# Altium PCB PCB1.PcbDoc (part 3 of 4) (continued)
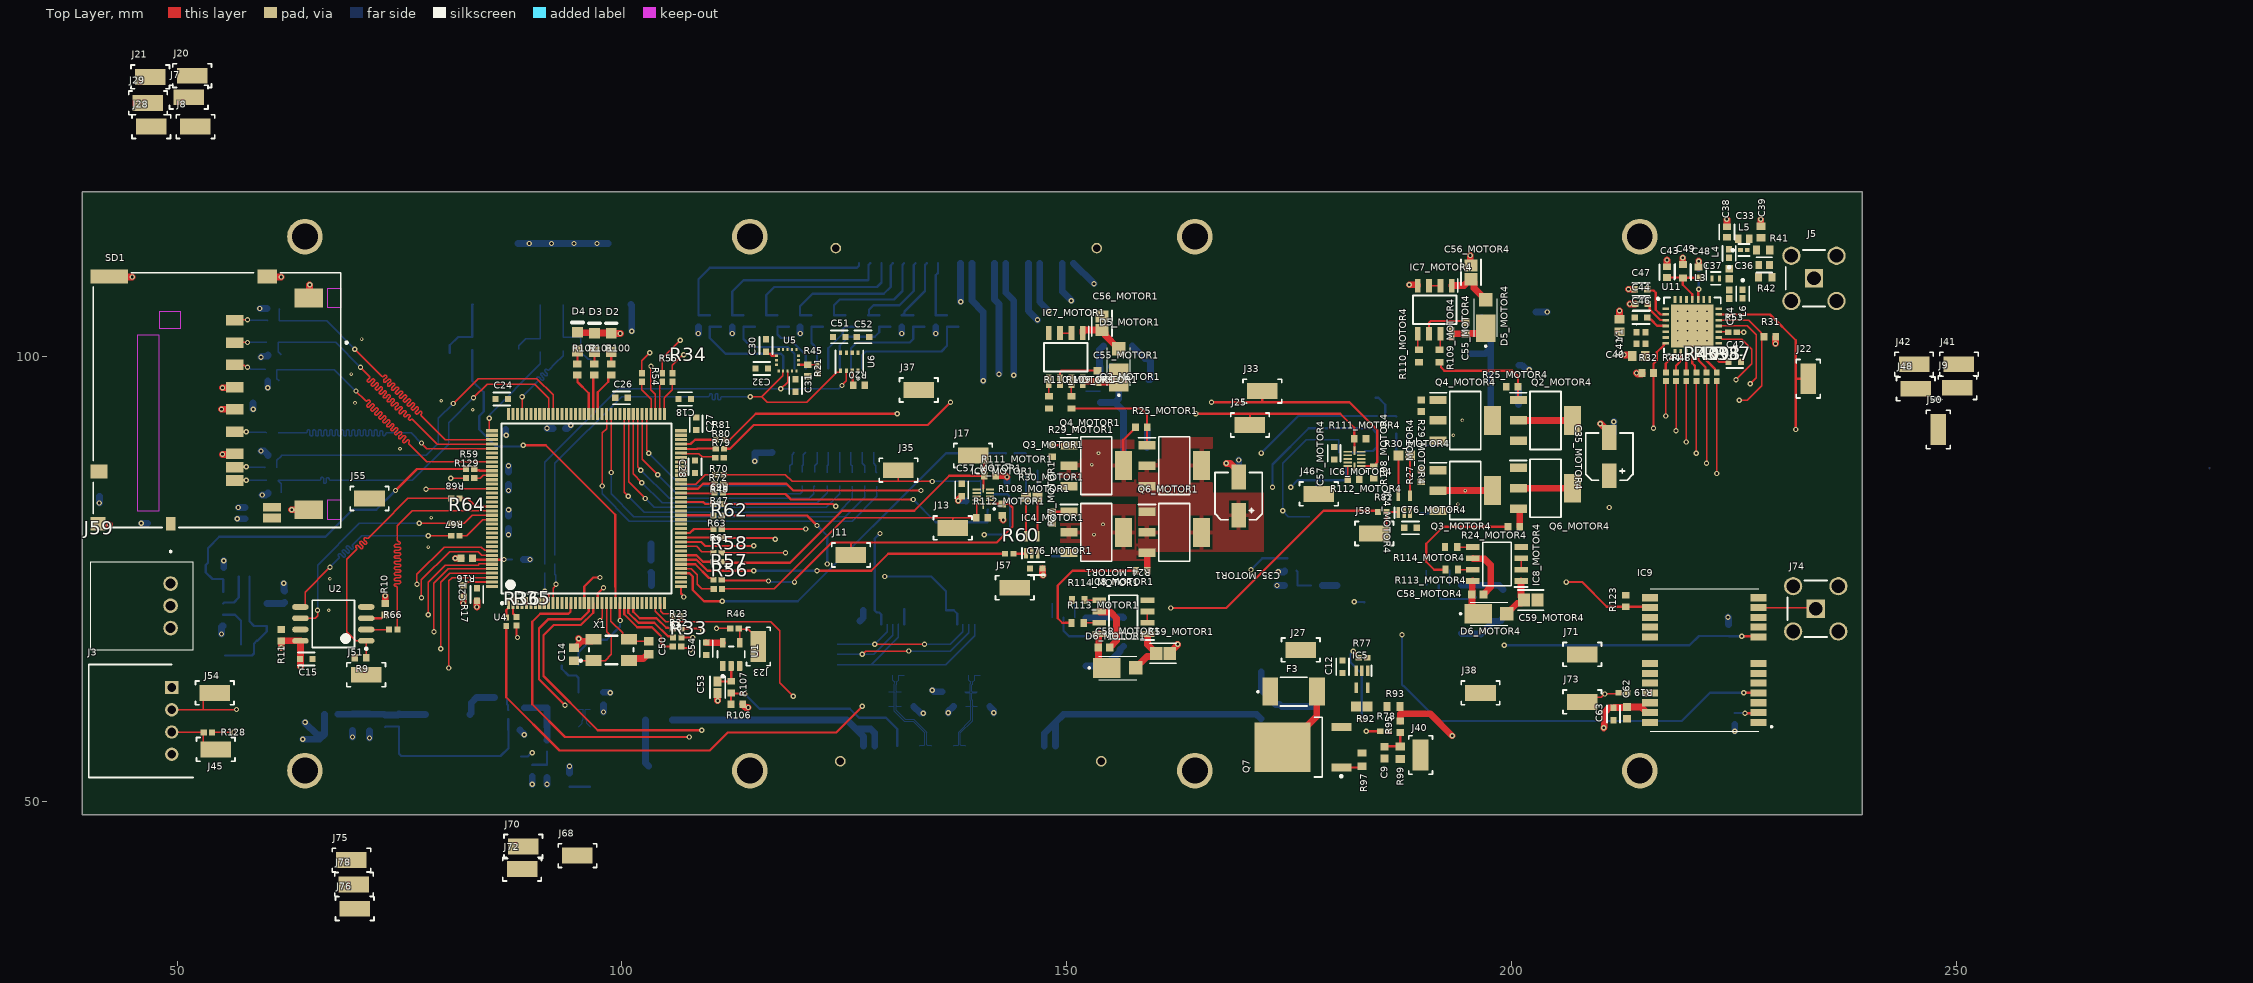
[diagram p0: Top Layer view]
## Nets (pads, with @x,y where several pads share a name; then routed paths per layer and width w, separated by ;. In a path a pad name is that pad's centre, name@x,y a point inside that pad or via, vN(x,y) a via of type N, cw(c..) or ccw(c..) an arc to the next point about the centre after c; other vN are vias at no path point) (continued)
  Bottom Layer w0.762: J1.26@141.859,110.49 141.859,106.426 142.367,105.918 v1(142.367,98.044)
HOT_R_MOTOR4: C55_MOTOR4.1 IC7_MOTOR4.6 J1.38 Q2_MOTOR4.3 Q4_MOTOR4.2 Q4_MOTOR4.4 R25_MOTOR4.1 | length 59.6
  Top Layer w0.254: IC7_MOTOR4.6@190.692,102.571 190.692,103.824 190.881,104.013 194.644,104.013 C55_MOTOR4.1@194.756,103.901
  Int3 (Sign) w0.762: v1(150.495,106.299) 156.845,99.949 171.704,99.949 178.816,92.837 v2(194.437,92.837)
  Bottom Layer w0.762: J1.38@149.479,110.49 149.479,107.315 v1(150.495,106.299)
IBAT_FB: IC2.1 J18.1 R71.2 | length 4.3
  Bottom Layer w0.254: J18.1@93.218,65.278 93.218,64.929 93.981,64.166 94.85,64.166 95.123,63.893 95.108,63.878 IC2.1@95.108,62.291
IBAT_MOTOR1_FB: IC3.1 J39.1 R74.2
IBAT_MOTOR2_FB: IC5.1 J27.1 R77.2
IMOTOR1: IC4_MOTOR1.1 J57.1 R60.1 | length 1.4
  Top Layer w0.254: R60.1@143.985,77.851 145.334,77.851 IC4_MOTOR1.1@145.4,77.917
IMOTOR2: IC4_MOTOR2.1 J36.1 R65.1 | length 4
  Bottom Layer w0.254: J36.1@184.658,95.377 185.005,95.377 185.768,94.614 R65.1@185.768,93.345 186.938,93.345 IC4_MOTOR2.1@187.011,93.271
IMOTOR3: IC4_MOTOR3.1 J47.1 R75.1 | length 1.3
  Bottom Layer w0.254: R75.1@144.112,89.154 145.334,89.154 IC4_MOTOR3.1@145.4,89.088
IMOTOR4: IC4_MOTOR4.1 J58.1 R82.1 | length 4.7
  Top Layer w0.254: J58.1@184.531,80.137 185.132,80.137 185.895,80.9 R82.1@185.895,82.55 187.187,82.55 IC4_MOTOR4.1@187.248,82.489
INT_IMU: R21.1 R45.2 U5.6 | length 2.5
  Top Layer w0.156: R21.1@120.888,99.111 122.238,99.111 R45.2@122.301,99.048
  Top Layer w0.254: U5.6@119.827,99.104 120.881,99.104 R21.1@120.888,99.111
LED_M12: R102.2 U4.90 | length 4.9
  Top Layer w0.254: R102.2@94.996,97.927 94.996,97.155 96.262,95.889 U4.90@96.262,93.556
LED_M34: R101.2 U4.89 | length 4.4
  Top Layer w0.254: U4.89@96.762,93.556 96.762,97.788 R101.2@96.901,97.927
LED_SEQ: R100.2 U4.88 | length 5.1
  Top Layer w0.254: U4.88@97.262,93.556 97.282,93.576 97.282,96.012 98.458,97.188 98.458,97.654 98.731,97.927 R100.2@98.806,97.927
MISO: R6.2 U8.11 U9.11 | length 22.3
  Top Layer w0.156: v1(127,66.548) 127.381,66.929 v1(132.207,66.929)
  Bottom Layer w0.156: R6.2@124.173,66.548 v1(127,66.548) 128.27,66.548 130.429,68.707 U8.11@130.429,69.931 ; v1(132.207,66.929) 136.906,66.929 138.961,68.984 U9.11@138.961,69.943
MISO_MEM: J75.1 R6.1 R66.2 U2.2 | length 2.6
  Top Layer w0.156: U2.2@71.264,69.342 R66.2@73.82,69.342
MISO_RADIO: J42.1 R53.2 U11.17 | length 1.1
  Top Layer w0.156: U11.17@223.247,102.805 224.253,102.805 R53.2@224.315,102.743
MOSI: R7.2 U8.12 U9.12 | length 23.9
  Bottom Layer w0.156: R7.2@124.173,65.405 128.016,65.405 ; U8.12@131.079,69.931 131.064,69.916 131.064,68.453 128.016,65.405 ; U9.12@139.611,69.943 139.611,68.618 136.398,65.405 128.016,65.405
MOSI_MEM: J78.1 R7.1 R67.2 U2.5 | length 24.3
  Top Layer w0.156: U2.5@63.864,71.882 64.158,71.882 64.386,72.11 64.386,73.53 v1(67.183,76.327) ; v1(78.232,79.883) R67.2@80.805,79.883
  Bottom Layer w0.156: v1(67.183,76.327) 68.135,77.279 68.191,77.335 ccw(c68.08,77.446) 68.191,77.557 68.166,77.582 cw(c68.277,77.693) 68.166,77.805 cw(c68.277,77.693) 68.388,77.805 68.661,77.532 ccw(c68.772,77.643) 68.883,77.532 ccw(c68.772,77.643) 68.883,77.754 68.61,78.027 cw(c68.721,78.138) 68.61,78.249 cw(c68.721,78.138) 68.832,78.249 69.105,77.976 ccw(c69.216,78.088) 69.327,77.976 ccw(c69.216,78.088) 69.327,78.199 69.055,78.471 cw(c69.166,78.583) 69.055,78.694 cw(c69.166,78.583) 69.277,78.694 69.55,78.421 ccw(c69.661,78.532) 69.772,78.421 ccw(c69.661,78.532) 69.772,78.643 69.747,78.668 cw(c69.858,78.78) 69.747,78.891 70.485,79.629 70.739,79.883 v1(78.232,79.883)
MOSI_RADIO: J50.1 R54.2 U11.18 | length 139.3
  Top Layer w0.156: R54.2@102.235,98.138 102.235,99.568 v1(103.124,100.457) ; U11.18@223.247,103.455 223.297,103.505 226.441,103.505 227.457,102.489 227.457,97.648 v1(226.782,96.972)
  Int2 (Sign) w0.159: v1(103.124,100.457) 103.632,100.965 172.733,100.965 176.382,100.965 208.153,100.965 212.979,96.139 225.948,96.139 v1(226.782,96.972)
NetC3_1: C3.1 IC1.2 L1.1 | length 4.2
  Bottom Layer w0.762: L1.1@82.907,59.794 83.058,59.946 83.058,61.111 83.646,61.699 C3.1@85.676,61.699
NetC3_2: C3.2 IC1.4 | length 1.5
  Bottom Layer w0.254: C3.2@87.076,61.699 87.076,60.954 87.191,60.839 87.191,60.317 IC1.4@87.214,60.294
NetC4_1: C4.1 IC1.6 R1.1 R3.2 | length 20.7
  Bottom Layer w0.254: C4.1@73.406,58.404 73.461,58.459 R1.1@74.946,58.459 74.946,55.381 75.184,55.142 86.36,55.142 87.234,56.016 R3.2@87.234,58.063 87.214,58.084 IC1.6@87.214,59.294
NetC4_2: C4.2 C5.1 C6.1 L1.2 R1.2 R88.1 | length 9.9
  Bottom Layer w0.762: R88.1@68.06,59.817 68.078,59.835 69.668,59.835 C6.1@69.669,59.834 ; C6.1@69.723,59.853 71.391,59.853 71.395,59.849 71.625,59.849 C5.1@71.644,59.83 73.28,59.83 73.356,59.754 C4.2@73.406,59.754 74.803,59.754 74.908,59.859 R1.2@74.946,59.859 74.984,59.859 75.049,59.794 L1.2@77.907,59.794
NetC17_2: C17.2 U4.106
NetC18_2: C18.2 U4.71
NetC30_1: C30.1 U5.14 | length 1.4
  Top Layer w0.254: C30.1@116.189,100.555 116.412,100.332 116.593,100.332 116.821,100.104 U5.14@117.377,100.104
NetC33_1: C33.1 C38.1 L4.2 L5.1
NetC33_2: C33.2 C39.2 L5.2 R41.1
NetC34_1: C34.1 L6.2 U11.21
NetC34_2: C34.2 C37.2 L3.2 U11.22
NetC36_1: C36.1 R41.2
NetC36_2: C36.2 R42.1
NetC37_1: C37.1 L4.1
NetC40_2: C40.2 U11.6 Y1.3
NetC41_2: C41.2 U11.5 Y1.1
NetC46_1: C46.1 U11.4 | length 2.5
  Top Layer w0.254: C46.1@215.203,104.394 215.426,104.171 215.615,104.171 216.308,103.478 217.274,103.478 U11.4@217.297,103.455
NetC47_1: C47.1 U11.2 | length 4.4
  Top Layer w0.254: C47.1@215.203,107.569 215.33,107.442 215.9,107.442 216.154,107.188 216.154,105.283 216.682,104.755 U11.2@217.297,104.755
NetC53_2: C53.2 R107.1 U1.2 | length 3.3
  Top Layer w0.254: C53.2@110.744,63.506 110.753,63.515 R107.1@112.268,63.515 U1.2@112.268,65.248
NetC55_MOTOR1_2: C55_MOTOR1.2 D5_MOTOR1.1 IC7_MOTOR1.8 | length 4.3
  Top Layer w0.762: IC7_MOTOR1.8@151.765,97.237 153.294,97.237 153.391,97.14 C55_MOTOR1.2@153.416,97.14 155.306,97.14 D5_MOTOR1.1@155.829,97.663
NetC55_MOTOR2_2: C55_MOTOR2.2 D5_MOTOR2.1 IC7_MOTOR2.8 | length 4.9
  Bottom Layer w0.762: IC7_MOTOR2.8@194.31,74.34 194.325,74.325 195.946,74.325 C55_MOTOR2.2@195.961,74.31 198.553,74.31 D5_MOTOR2.1@199.009,73.854
NetC55_MOTOR3_2: C55_MOTOR3.2 D5_MOTOR3.1 IC7_MOTOR3.8 | length 4.2
  Bottom Layer w0.762: IC7_MOTOR3.8@152.146,70.657 153.69,70.657 153.772,70.739 C55_MOTOR3.2@153.797,70.739 156.277,70.739 D5_MOTOR3.1@156.337,70.679
NetC55_MOTOR4_2: C55_MOTOR4.2 D5_MOTOR4.1 IC7_MOTOR4.8 | length 4.1
  Top Layer w0.762: IC7_MOTOR4.8@193.232,102.571 193.247,102.586 194.741,102.586 C55_MOTOR4.2@194.756,102.601 196.459,102.601 D5_MOTOR4.1@197.042,103.184
NetC58_MOTOR1_2: C58_MOTOR1.2 D6_MOTOR1.1 IC8_MOTOR1.8 | length 4.4
  Top Layer w0.762: IC8_MOTOR1.8@153.625,68.834 153.572,68.781 153.572,67.354 C58_MOTOR1.2@153.528,67.31 153.528,65.743 154.247,65.024 D6_MOTOR1.1@154.492,65.024
NetC58_MOTOR2_2: C58_MOTOR2.2 D6_MOTOR2.1 IC8_MOTOR2.8
NetC58_MOTOR3_2: C58_MOTOR3.2 D6_MOTOR3.1 IC8_MOTOR3.8 | length 4
  Bottom Layer w0.762: IC8_MOTOR3.8@153.752,97.409 153.711,97.45 153.711,98.892 C58_MOTOR3.2@153.67,98.933 153.67,100.778 D6_MOTOR3.1@154.111,101.219
NetC58_MOTOR4_2: C58_MOTOR4.2 D6_MOTOR4.1 IC8_MOTOR4.8 | length 4
  Top Layer w0.762: IC8_MOTOR4.8@195.6,74.803 195.547,74.75 195.547,73.323 C58_MOTOR4.2@195.503,73.279 195.503,71.83 D6_MOTOR4.1@196.213,71.12
NetC61_1: C61.1 R116.1 R117.1 U7.4 | length 14.3
  Bottom Layer w0.254: R117.1@55.412,66.421 58.42,66.421 58.637,66.638 R116.1@58.637,67.676 58.637,67.751 58.96,68.074 59.035,68.074 60.096,69.135 U7.4@60.096,69.739 58.658,69.739 58.131,70.266 C61.1@58.131,75.311
NetC61_2: C61.2 J59.3 U7.7 | length 4.4
  Bottom Layer w0.254: U7.7@55.186,72.279 55.297,72.39 56.388,72.39 56.931,72.933 C61.2@56.931,75.311
NetC77_2: C77.2 IC10.5 R154.1 | length 6.2
  Bottom Layer w0.254: IC10.5@121.92,98.705 121.92,100.905 121.285,101.54 R154.1@121.285,103.363 C77.2@122.555,103.363
NetC78_2: C78.2 IC10.4 R153.1 | length 7.8
  Bottom Layer w0.254: C78.2@118.745,103.363 R153.1@117.475,103.363 117.475,102.489 117.856,102.108 118.745,102.108 120.65,100.203 IC10.4@120.65,98.705
NetC79_2: C79.2 IC10.3 R152.1 | length 10.7
  Bottom Layer w0.254: C79.2@114.935,103.363 R152.1@113.665,103.363 113.665,101.981 114.554,101.092 118.618,101.092 119.38,100.33 IC10.3@119.38,98.705
NetC80_2: C80.2 IC10.2 R151.1 | length 13
  Bottom Layer w0.254: C80.2@111.125,103.363 R151.1@109.855,103.363 109.855,102.108 111.633,100.33 117.856,100.33 118.11,100.076 IC10.2@118.11,98.705
NetC82_2: C82.2 IC10.9 R162.1 | length 14.9
  Bottom Layer w0.254: IC10.9@127,98.705 127,100.203 127.381,100.584 135.89,100.584 136.525,101.219 R162.1@136.525,103.363 C82.2@137.795,103.363
NetC83_2: C83.2 IC10.8 R161.1 | length 12.3
  Bottom Layer w0.254: IC10.8@125.73,98.705 125.73,100.965 126.365,101.6 132.334,101.6 132.715,101.981 R161.1@132.715,103.363 C83.2@133.985,103.363
NetC84_2: C84.2 IC10.7 R160.1 | length 9.5
  Bottom Layer w0.254: IC10.7@124.46,98.705 124.46,101.219 125.476,102.235 128.397,102.235 128.905,102.743 R160.1@128.905,103.363 C84.2@130.175,103.363
NetC85_2: C85.2 IC10.6 R159.1 | length 6.7
  Bottom Layer w0.254: IC10.6@123.19,98.705 123.19,100.965 124.797,102.572 124.797,103.115 125.045,103.363 R159.1@125.095,103.363 C85.2@126.365,103.363
NetD2_1: D2.1 R100.1 | length 1.4
  Top Layer w0.254: R100.1@98.806,99.177 D2.1@98.806,100.55
NetD3_1: D3.1 R101.1 | length 1.4
  Top Layer w0.254: R101.1@96.901,99.177 D3.1@96.901,100.55
NetD4_1: D4.1 R102.1 | length 1.5
  Top Layer w0.254: R102.1@94.996,99.177 D4.1@94.996,100.643
NetF1_2: F1.2 Q1.2 | length 5.4
  Bottom Layer w0.762: F1.2@102.64,59.182 102.64,54.346 Q1.2@103.011,53.975
NetF2_2: F2.2 Q5.2 | length 9
  Bottom Layer w0.762: F2.2@171.831,64.591 171.831,62.558 173.457,60.932 173.896,60.932 174.136,60.692 Q5.2@178.054,60.692
NetF3_2: F3.2 Q7.2 | length 8
  Top Layer w0.762: Q7.2@174.23,56.134 174.605,56.134 178.077,59.606 F3.2@178.077,62.357
NetIC4_MOTOR1_4: IC4_MOTOR1.4 Q3_MOTOR1.3 Q4_MOTOR1.3 R27_MOTOR1.1 R29_MOTOR1.1 R30_MOTOR1.2 | length 4.4
  Top Layer w0.254: IC4_MOTOR1.4@146.7,79.817 R30_MOTOR1.2@146.7,84.201
NetIC4_MOTOR2_4: IC4_MOTOR2.4 Q3_MOTOR2.3 Q4_MOTOR2.3 R27_MOTOR2.1 R29_MOTOR2.1 R30_MOTOR2.2 | length 3
  Bottom Layer w0.254: R30_MOTOR2.2@188.311,88.384 IC4_MOTOR2.4@188.311,91.371
NetIC4_MOTOR3_4: IC4_MOTOR3.4 Q3_MOTOR3.3 Q4_MOTOR3.3 R27_MOTOR3.1 R29_MOTOR3.1 R30_MOTOR3.2 | length 3.4
  Bottom Layer w0.254: IC4_MOTOR3.4@146.7,87.188 146.7,83.947 R30_MOTOR3.2@146.827,83.82
NetIC4_MOTOR4_4: IC4_MOTOR4.4 Q3_MOTOR4.3 Q4_MOTOR4.3 R27_MOTOR4.1 R29_MOTOR4.1 R30_MOTOR4.2 | length 4.5
  Top Layer w0.254: IC4_MOTOR4.4@188.548,84.389 R30_MOTOR4.2@188.548,88.9
NetIC6_MOTOR4_11: IC6_MOTOR4.11 R112_MOTOR4.2 | length 1.5
  Top Layer w0.156: R112_MOTOR4.2@181.533,86.233 181.533,87.697 181.555,87.719 IC6_MOTOR4.11@181.56,87.719
NetIC7_MOTOR1_5: IC7_MOTOR1.5 R110_MOTOR1.1 | length 1.7
  Top Layer w0.156: R110_MOTOR1.1@147.955,95.569 IC7_MOTOR1.5@147.955,97.237
NetIC7_MOTOR1_7: IC7_MOTOR1.7 R109_MOTOR1.1 | length 1.7
  Top Layer w0.156: R109_MOTOR1.1@150.495,95.569 IC7_MOTOR1.7@150.495,97.237
NetIC7_MOTOR2_5: IC7_MOTOR2.5 R110_MOTOR2.1 | length 1.7
  Bottom Layer w0.156: R110_MOTOR2.1@190.373,76.008 190.373,74.467 IC7_MOTOR2.5@190.5,74.34
NetIC7_MOTOR2_7: IC7_MOTOR2.7 R109_MOTOR2.1 | length 1.7
  Bottom Layer w0.156: IC7_MOTOR2.7@193.04,74.34 R109_MOTOR2.1@193.04,76.07
NetIC7_MOTOR3_5: IC7_MOTOR3.5 R110_MOTOR3.1 | length 1.7
  Bottom Layer w0.156: IC7_MOTOR3.5@148.336,70.657 R110_MOTOR3.1@148.336,72.325
NetIC7_MOTOR3_7: IC7_MOTOR3.7 R109_MOTOR3.1 | length 1.7
  Bottom Layer w0.156: IC7_MOTOR3.7@150.876,70.657 R109_MOTOR3.1@150.876,72.39
NetIC7_MOTOR4_5: IC7_MOTOR4.5 R110_MOTOR4.1 | length 1.8
  Top Layer w0.156: IC7_MOTOR4.5@189.422,102.571 189.422,100.903 R110_MOTOR4.1@189.549,100.776
NetIC7_MOTOR4_7: IC7_MOTOR4.7 R109_MOTOR4.1 | length 1.8
  Top Layer w0.156: R109_MOTOR4.1@191.835,100.776 191.962,100.903 IC7_MOTOR4.7@191.962,102.571
NetIC8_MOTOR1_5: IC8_MOTOR1.5 R114_MOTOR1.1 | length 1.7
  Top Layer w0.156: R114_MOTOR1.1@151.957,72.644 IC8_MOTOR1.5@153.625,72.644
NetIC8_MOTOR1_7: IC8_MOTOR1.7 R113_MOTOR1.1 | length 1.7
  Top Layer w0.156: R113_MOTOR1.1@151.895,70.104 IC8_MOTOR1.7@153.625,70.104
NetIC8_MOTOR2_5: IC8_MOTOR2.5 R114_MOTOR2.1
NetIC8_MOTOR2_7: IC8_MOTOR2.7 R113_MOTOR2.1
NetIC8_MOTOR3_5: IC8_MOTOR3.5 R114_MOTOR3.1
NetIC8_MOTOR3_7: IC8_MOTOR3.7 R113_MOTOR3.1 | length 1.7
  Bottom Layer w0.156: R113_MOTOR3.1@152.084,96.139 IC8_MOTOR3.7@153.752,96.139
NetIC8_MOTOR4_5: IC8_MOTOR4.5 R114_MOTOR4.1 | length 1.7
  Top Layer w0.156: R114_MOTOR4.1@193.867,78.613 IC8_MOTOR4.5@195.6,78.613
NetIC8_MOTOR4_7: IC8_MOTOR4.7 R113_MOTOR4.1 | length 1.7
  Top Layer w0.156: R113_MOTOR4.1@193.932,76.073 IC8_MOTOR4.7@195.6,76.073
NetIC9_2: IC9.2 R122.1 | length 2.7
  Top Layer w0.254: v1(226.187,59.944) 227.652,59.944 IC9.2@227.723,60.015
  Bottom Layer w0.254: R122.1@225.044,59.959 225.052,59.952 226.179,59.952 v1(226.187,59.944)
NetIC9_4: IC9.4 R22.2 | length 131.2
  Top Layer w0.254: R22.2@106.68,68.453 v1(107.95,68.453) ; v1(226.06,62.23) 227.708,62.23 IC9.4@227.723,62.215
  Int2 (Sign) w0.254: v1(107.95,68.453) 108.458,67.945 114.046,67.945 116.078,69.977 186.418,69.977 v1(187.64,68.755)
  Bottom Layer w0.254: v1(187.64,68.755) 187.64,63.141 187.788,62.992 187.833,62.992 191.77,59.055 219.075,59.055 222.25,62.23 v1(226.06,62.23)
NetIC9_8: IC9.8 R33.2 R121.1 | length 123.1
  Top Layer w0.254: R33.2@106.647,67.437 106.804,67.28 107.378,67.28 107.602,67.056 v1(107.696,67.056) ; v1(225.806,68.58) 227.658,68.58 IC9.8@227.723,68.515
  Int2 (Sign) w0.254: v1(107.696,67.056) 114.3,67.056 116.205,68.961 185.801,68.961 187.198,67.564 v1(199.136,67.564)
  Bottom Layer w0.254: v1(199.136,67.564) 219.964,67.564 221.01,68.61 R121.1@224.363,68.61 224.378,68.595 225.791,68.595 v1(225.806,68.58)
NetIC9_11: IC9.11 J74.1 | length 6.5
  Top Layer w0.156: IC9.11@227.723,71.815 234,71.815 J74.1@234.142,71.673
NetIC9_14: IC9.14 R23.2 R123.2 | length 112.8
  Top Layer w0.254: R23.2@106.647,69.469 108.745,69.469 108.999,69.215 v1(109.093,69.215) ; v1(206.121,74.676) 207.899,74.676 210.663,71.912 R123.2@212.806,71.912 215.426,71.912 IC9.14@215.523,71.815
  Int2 (Sign) w0.254: v1(109.093,69.215) 109.601,68.707 113.919,68.707 115.951,70.739 200.914,70.739 204.851,74.676 v1(206.121,74.676)
NetIC9_20: IC9.20 R8.2
NetIC9_21: IC9.21 R19.2
NetIC10_11: IC10.11 R127.1 | length 2.4
  Bottom Layer w0.156: IC10.11@128.27,89.255 128.27,88.011 128.524,87.757 128.524,87.098 R127.1@128.651,86.971
NetIC10_12: IC10.12 R126.1 | length 2.4
  Bottom Layer w0.156: IC10.12@127,89.255 127,88.011 127.254,87.757 R126.1@127.254,86.983
NetIC10_13: IC10.13 R125.1 | length 2.3
  Bottom Layer w0.156: IC10.13@125.73,89.255 125.73,87.884 125.857,87.757 R125.1@125.857,86.971
NetIC10_14: IC10.14 R124.1 | length 2.3
  Bottom Layer w0.156: R124.1@124.46,86.983 IC10.14@124.46,89.255
NetIC10_15: IC10.15 R118.1 | length 2.3
  Bottom Layer w0.156: R118.1@123.063,86.983 123.063,87.757 123.19,87.884 IC10.15@123.19,89.255
NetIC10_16: IC10.16 R85.1 | length 2.4
  Bottom Layer w0.156: R85.1@121.666,86.995 121.666,87.757 121.92,88.011 IC10.16@121.92,89.255
NetIC10_17: IC10.17 R84.1 | length 2.4
  Bottom Layer w0.156: R84.1@120.269,86.995 120.269,87.757 120.378,87.866 120.378,88.983 IC10.17@120.65,89.255
NetIC10_18: IC10.18 R83.1 | length 2.5
  Bottom Layer w0.156: R83.1@118.872,86.995 118.872,87.757 119.108,87.993 119.108,88.983 IC10.18@119.38,89.255
NetJ5_1: J5.1 R42.2
NetJ59_1: J59.1 R116.2 U7.6 | length 4.9
  Bottom Layer w0.254: U7.6@55.186,71.009 55.204,70.991 56.517,70.991 57.187,70.321 R116.2@57.187,67.676
NetJ59_2: J59.2 R117.2
NetQ1_1: Q1.1 R5.2 | length 2.3
  Bottom Layer w0.254: R5.2@94.107,51.689 96.405,51.689 Q1.1@96.411,51.695
NetQ5_1: Q5.1 R96.2
NetQ7_1: Q7.1 R97.2 | length 2.4
  Top Layer w0.254: Q7.1@180.83,53.854 183.001,53.854 R97.2@183.134,53.987
NetR10_1: R10.1 U2.3 | length 2.3
  Top Layer w0.254: U2.3@71.264,70.612 71.272,70.604 72.983,70.604 73.356,70.978 R10.1@73.406,70.978
NetR11_1: R11.1 U2.7
NetR12_1: R12.1 SD1.10
NetR13_1: R13.1 SD1.11
NetR14_1: R14.1 SD1.12
NetR15_1: R15.1 SD1.13
NetR16_1: R16.1 R18.2 U4.138 | length 4.5
  Top Layer w0.254: R16.1@83.2,77.343 83.362,77.181 U4.138@85.387,77.181 85.405,77.198 86.723,77.198 v1(86.741,77.216)
  Bottom Layer w0.254: v1(86.741,77.216) R18.2@87.615,77.216
NetR17_1: R17.1 U4.143 | length 3.4
  Top Layer w0.254: R17.1@82.169,74.31 82.219,74.31 82.595,74.686 85.382,74.686 U4.143@85.387,74.681
NetR20_1: R20.1 U6.2 | length 1.7
  Top Layer w0.254: U6.2@125.872,98.407 125.92,98.359 125.92,96.823 R20.1@125.969,96.774
NetR26_2: R26.2 U5.2 U6.4 | length 53.3
  Top Layer w0.156: v1(114.427,95.504) 115.697,95.504 ; U5.2@118.102,98.379 118.055,98.332 118.055,97.862 115.697,95.504 ; U6.4@124.572,98.407 124.572,98.332 124.475,98.235 124.143,98.235 120.777,94.869 116.332,94.869 115.697,95.504
  Bottom Layer w0.156: R26.2@92.456,77.691 92.456,88.011 99.949,95.504 109.601,95.504 109.679,95.504 ccw(c109.679,95.661) 109.836,95.661 109.836,95.697 cw(c109.994,95.697) 109.994,95.854 cw(c109.994,95.697) 110.151,95.697 110.151,95.311 ccw(c110.308,95.311) 110.308,95.154 ccw(c110.308,95.311) 110.465,95.311 110.465,95.697 cw(c110.622,95.697) 110.622,95.854 cw(c110.622,95.697) 110.779,95.697 110.779,95.311 ccw(c110.937,95.311) 110.937,95.154 ccw(c110.937,95.311) 111.094,95.311 111.094,95.347 cw(c111.251,95.347) 111.251,95.504 112.649,95.504 v1(114.427,95.504)
NetR28_2: R28.2 U5.3 U6.3 | length 52.6
  Top Layer w0.156: v1(117.856,96.393) 118.602,97.139 U5.3@118.602,98.379 ; v1(124.714,96.774) 125.222,97.282 U6.3@125.222,98.407
  Bottom Layer w0.156: R28.2@91.313,76.675 91.313,88.138 99.568,96.393 v1(117.856,96.393) 124.333,96.393 v1(124.714,96.774)
NetR34_1: R34.1 U4.73 | length 4
  Top Layer w0.156: U4.73@104.762,93.556 104.775,93.569 104.775,95.377 105.664,96.266 R34.1@105.664,97.188
NetR35_1: R35.1 U4.2 | length 1.7
  Top Layer w0.254: U4.2@87.762,72.306 87.762,71.14 88.138,70.764 R35.1@88.138,70.739
NetR36_1: R36.1 U4.1 | length 1.7
  Top Layer w0.254: R36.1@86.995,70.706 86.995,71.539 87.262,71.806 U4.1@87.262,72.306
NetR37_1: R37.1 U4.142 | length 182.3
  Top Layer w0.156: v1(80.518,65.024) 80.518,74.803 80.899,75.184 85.384,75.184 U4.142@85.387,75.181 ; v1(223.012,86.868) R37.1@223.012,97.282
  Int2 (Sign) w0.159: v1(80.518,65.024) 82.296,63.246 206.375,63.246 223.012,79.883 v1(223.012,86.868)
NetR38_1: R38.1 U4.141 | length 181
  Top Layer w0.156: v1(79.629,67.183) 79.629,74.676 80.645,75.692 85.376,75.692 U4.141@85.387,75.681 ; v1(221.869,88.011) R38.1@221.869,97.282
  Int2 (Sign) w0.159: v1(79.629,67.183) 82.931,63.881 205.359,63.881 221.869,80.391 v1(221.869,88.011)
NetR39_1: R39.1 U4.140 | length 179.7
  Top Layer w0.156: v1(78.867,69.088) 78.867,74.549 80.499,76.181 U4.140@85.387,76.181 ; v1(220.726,89.154) R39.1@220.726,97.282
  Int2 (Sign) w0.159: v1(78.867,69.088) 83.566,64.389 204.216,64.389 206.502,66.675 219.773,79.947 220.726,80.899 v1(220.726,89.154)
NetR40_1: R40.1 U4.139 | length 181.5
  Top Layer w0.156: v1(78.232,70.993) 78.232,74.676 80.137,76.581 83.82,76.581 83.947,76.708 85.36,76.708 U4.139@85.387,76.681 ; v1(219.583,90.424) R40.1@219.583,97.282
  Int2 (Sign) w0.159: v1(78.232,70.993) 84.455,64.77 203.073,64.77 219.583,81.28 219.583,85.757 219.583,86.599 ccw(c219.424,86.599) 219.424,86.758 cw(c219.424,86.916) 219.265,86.916 cw(c219.424,86.916) 219.424,87.075 219.697,87.075 ccw(c219.697,87.234) 219.856,87.234 ccw(c219.697,87.234) 219.697,87.392 219.392,87.392 cw(c219.392,87.551) 219.233,87.551 cw(c219.392,87.551) 219.392,87.709 219.774,87.709 ccw(c219.774,87.868) 219.933,87.868 ccw(c219.774,87.868) 219.774,88.027 219.392,88.027 cw(c219.392,88.185) 219.233,88.185 cw(c219.392,88.185) 219.392,88.344 219.774,88.344 ccw(c219.774,88.503) 219.933,88.503 ccw(c219.774,88.503) 219.774,88.661 219.742,88.661 cw(c219.742,88.82) 219.583,88.82 219.583,88.9 v1(219.583,90.424)
NetR43_1: R43.1 U4.137 | length 181.3
  Top Layer w0.156: v1(77.47,72.898) 77.47,74.93 80.645,78.105 83.82,78.105 84.244,77.681 U4.137@85.387,77.681 ; v1(218.44,91.694) R43.1@218.44,97.282
  Int2 (Sign) w0.159: v1(77.47,72.898) 85.217,65.151 201.803,65.151 218.44,81.788 218.44,85.114 218.44,85.193 ccw(c218.281,85.193) 218.281,85.353 218.249,85.353 cw(c218.249,85.511) 218.09,85.511 cw(c218.249,85.511) 218.249,85.67 218.631,85.67 ccw(c218.631,85.828) 218.79,85.828 ccw(c218.631,85.828) 218.631,85.987 218.249,85.987 cw(c218.249,86.146) 218.09,86.146 cw(c218.249,86.146) 218.249,86.304 218.631,86.304 ccw(c218.631,86.463) 218.79,86.463 ccw(c218.631,86.463) 218.631,86.622 218.249,86.622 cw(c218.249,86.78) 218.09,86.78 cw(c218.249,86.78) 218.249,86.939 218.631,86.939 ccw(c218.631,87.097) 218.79,87.097 ccw(c218.631,87.097) 218.631,87.256 218.599,87.256 cw(c218.599,87.415) 218.44,87.415 218.44,88.773 v1(218.44,91.694)
NetR44_1: R44.1 U4.136 | length 181.1
  Top Layer w0.156: v1(76.962,74.422) 76.962,75.565 80.01,78.613 84.201,78.613 84.576,78.238 85.33,78.238 U4.136@85.387,78.181 ; v1(217.297,93.345) R44.1@217.297,97.282
  Int2 (Sign) w0.159: v1(76.962,74.422) 85.852,65.532 200.66,65.532 217.297,82.169 217.297,86.628 217.297,86.708 ccw(c217.138,86.708) 217.138,86.867 217.106,86.867 cw(c217.106,87.026) 216.947,87.026 cw(c217.106,87.026) 217.106,87.184 217.488,87.184 ccw(c217.488,87.343) 217.647,87.343 ccw(c217.488,87.343) 217.488,87.502 217.106,87.502 cw(c217.106,87.66) 216.947,87.66 cw(c217.106,87.66) 217.106,87.819 217.488,87.819 ccw(c217.488,87.977) 217.647,87.977 ccw(c217.488,87.977) 217.488,88.136 217.106,88.136 cw(c217.106,88.295) 216.947,88.295 cw(c217.106,88.295) 217.106,88.453 217.488,88.453 ccw(c217.488,88.612) 217.647,88.612 ccw(c217.488,88.612) 217.488,88.77 217.221,88.77 cw(c217.221,88.929) 217.063,88.929 cw(c217.221,88.929) 217.221,89.088 217.456,89.088 ccw(c217.456,89.246) 217.615,89.246 ccw(c217.456,89.246) 217.456,89.405 cw(c217.456,89.564) 217.297,89.564 217.297,89.916 v1(217.297,93.345)
NetR45_1: R45.1 U4.12
NetR46_1: R46.1 U4.22 | length 18.4
  Top Layer w0.156: v1(97.536,70.358) 97.536,70.445 97.762,70.671 97.762,70.838 U4.22@97.762,72.306 ; v1(110.617,69.469) R46.1@112.174,69.469
  Int2 (Sign) w0.159: v1(97.536,70.358) 97.536,69.85 97.917,69.469 100.457,69.469 101.727,70.739 109.347,70.739 v1(110.617,69.469)
NetR47_1: R47.1 U4.53 | length 3.6
  Top Layer w0.254: U4.53@106.637,82.181 110.257,82.181 R47.1@110.269,82.169
NetR48_1: R48.1 U4.56 | length 3.7
  Top Layer w0.254: U4.56@106.637,83.681 109.105,83.681 109.347,83.439 R48.1@110.269,83.439
NetR49_1: R49.1 U4.54
NetR50_1: R50.1 U4.57
NetR51_1: R51.1 U4.55
NetR52_1: R52.1 U4.50
NetR53_1: R53.1 U4.75 | length 142.7
  Top Layer w0.156: v1(103.251,98.933) 103.251,96.266 103.762,95.755 U4.75@103.762,93.556 ; R53.1@225.265,102.743 v1(226.06,102.743)
  Int2 (Sign) w0.159: v1(103.251,98.933) 103.631,99.313 108.203,99.313 108.458,99.568 207.391,99.568 212.725,94.234 226.314,94.234 228.6,96.52 228.6,100.711 226.568,102.743 v1(226.06,102.743)
NetR54_1: R54.1 U4.76 | length 4.1
  Top Layer w0.156: R54.1@102.235,97.188 102.235,96.266 103.262,95.239 U4.76@103.262,93.556
NetR55_1: R55.1 U4.74 | length 3.7
  Top Layer w0.156: U4.74@104.262,93.556 104.267,93.561 104.267,96.825 104.274,96.832 104.274,96.941 R55.1@104.521,97.188
NetR56_2: R56.2 U4.41 | length 5.2
  Top Layer w0.156: U4.41@106.637,76.181 106.642,76.186 107.789,76.186 108.458,75.517 108.458,74.422 108.966,73.914 R56.2@110.302,73.914
NetR57_2: R57.2 U4.42 | length 4.4
  Top Layer w0.254: U4.42@106.637,76.681 106.647,76.691 108.221,76.691 109.784,75.128 110.071,75.128 R57.2@110.269,74.93
NetR58_2: R58.2 U4.44 | length 3.9
  Top Layer w0.254: U4.44@106.637,77.681 108.374,77.681 109.093,76.962 R58.2@110.269,76.962
NetR59_1: R59.1 U4.118 | length 2.1
  Top Layer w0.254: R59.1@83.406,87.376 83.533,87.249 83.947,87.249 84.015,87.181 U4.118@85.387,87.181
NetR60_2: R60.2 U4.43 | length 37.7
  Top Layer w0.254: U4.43@106.637,77.181 108.366,77.181 109.601,75.946 v1(114.808,75.946) ; v1(121.92,75.946) 128.016,75.946 129.921,77.851 R60.2@143.035,77.851
  Bottom Layer w0.254: v1(114.808,75.946) v1(121.92,75.946)
NetR61_2: R61.2 U4.46 | length 3.9
  Top Layer w0.156: U4.46@106.637,78.681 108.39,78.681 108.966,78.105 110.142,78.105 R61.2@110.269,77.978
NetR62_2: R62.2 U4.49 | length 3.8
  Top Layer w0.254: U4.49@106.637,80.181 107.613,80.181 108.077,80.645 R62.2@110.269,80.645
NetR63_2: R63.2 U4.48 | length 3.7
  Top Layer w0.254: U4.48@106.637,79.681 110.217,79.681 R63.2@110.269,79.629
NetR64_1: R64.1 U4.128 | length 4
  Top Layer w0.156: R64.1@81.755,81.28 82.296,81.28 83.197,82.181 U4.128@85.387,82.181
NetR65_2: R65.2 U4.47 | length 84.4
  Top Layer w0.254: U4.47@106.637,79.181 108.906,79.181 109.347,78.74 v1(114.808,78.74)
  Int2 (Sign) w0.254: v1(114.808,78.74) 123.317,87.249 169.901,87.249 v1(171.824,89.171)
  Bottom Layer w0.254: v1(171.824,89.171) 175.997,93.345 R65.2@184.818,93.345